# Altium PCB SC_ControlV2.0.PcbDoc
Units mm, origin at the board's own origin, x right, y up, seen from the top; angles counter-clockwise.
Board outline 57 x 65 mm, 2 copper layers (Top Layer, Bottom Layer), stack 0.325 mm thick; 103 components, 59 nets, 345 pads, 179 vias.
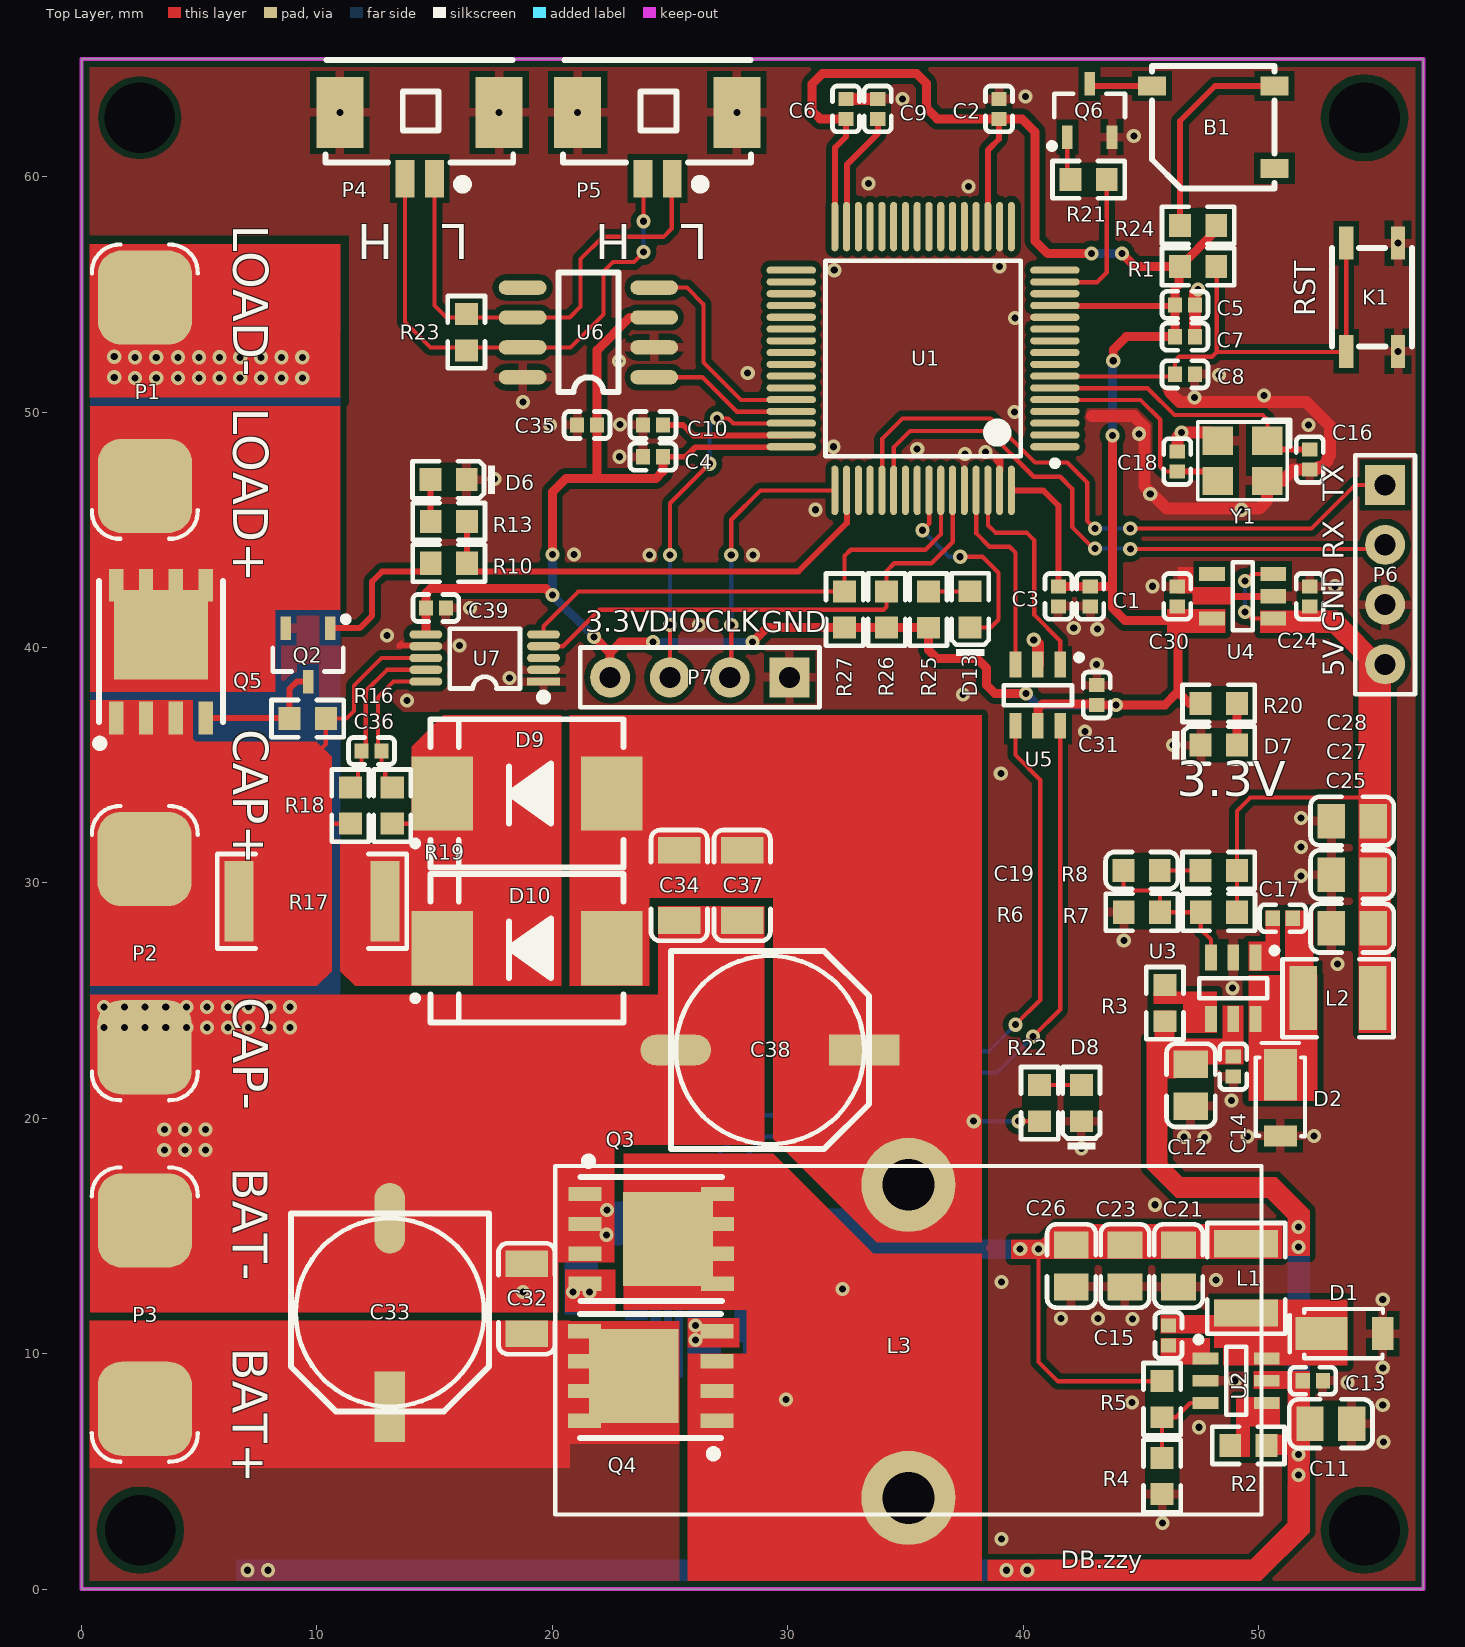
[diagram p0: Top Layer view]
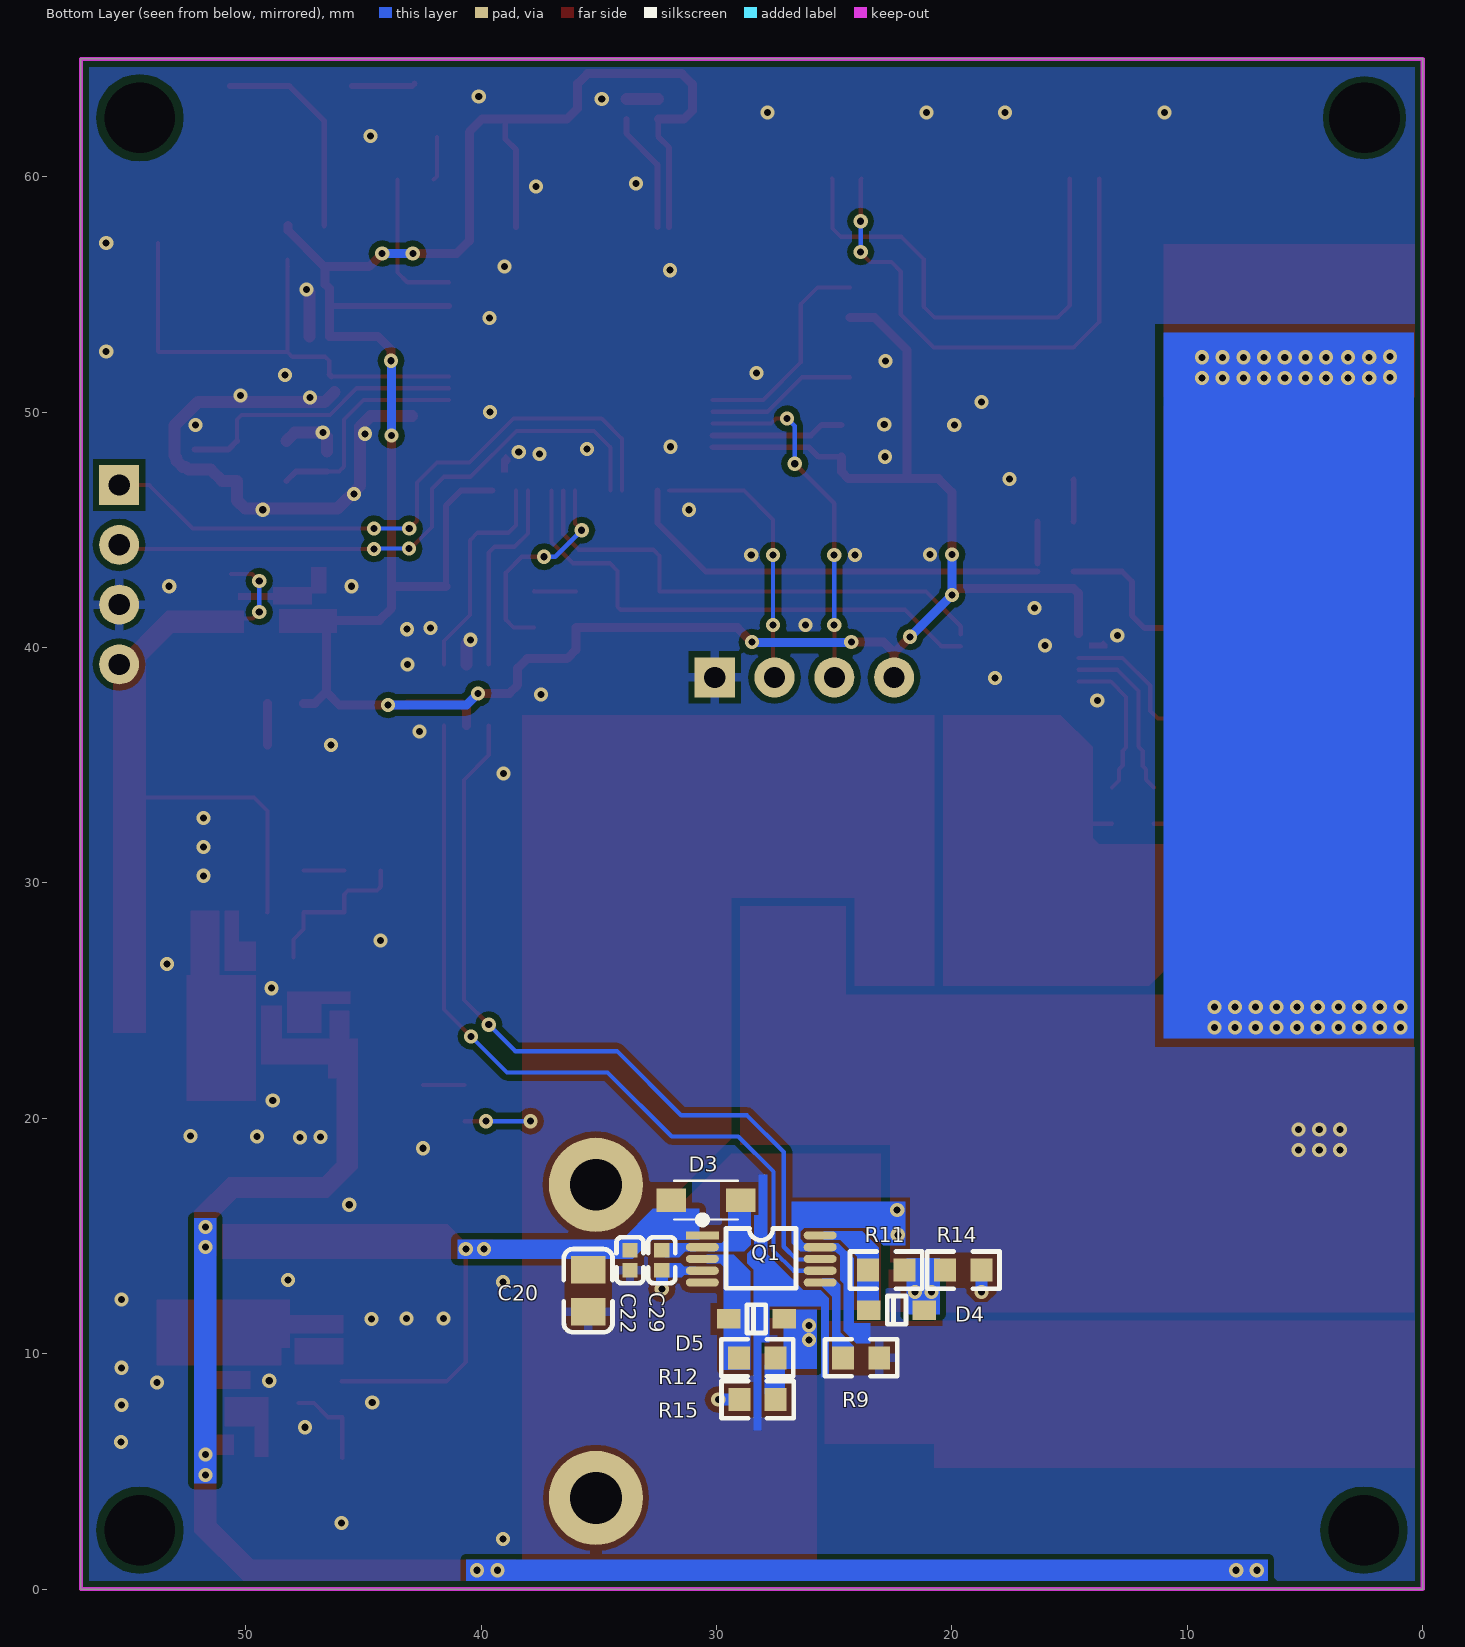
[diagram p1: Bottom Layer view, seen from below]

## Layer stack, top to bottom
Top Solder: solder mask 0.0102, Solder Resist, Dk 3.5
Top Layer: signal copper 0.0356
Dielectric 1: core 0.254, FR-4, Dk 4.2
Bottom Layer: signal copper 0.0356
Bottom Solder: solder mask 0.0102, Solder Resist, Dk 3.5

## Board outline
0,0 0,65 57,65 57,0

## Design rules (kind name [scope] priority, off if disabled: settings)
Clearance [All] p1: gap=0.254 ignorepadtopadclearanceinfootprint=FALSE except(0: Arc-Hole Track-Hole SMDPad-Hole THPad-Hole Via-Hole Fill-Hole Poly-Hole Region-Hole Text-Hole; 0.127: SMDPad-SMDPad SMDPad-Region Region-Region; 0.178: Track-SMDPad Track-Region; 0.203: Track-Track Via-Region)
ComponentClearance [All] p1 off: gap=0.254 collisioncheckmode=3 verticalgap=0.254 showdistances=FALSE
PolygonConnect PolygonConnect_via [isvia] p1: connectstyle=Direct reliefconductorwidth=0.254 reliefentries=4 polygonreliefangle="90 Angle" airgapwidth=0.254
PolygonConnect [All] p2: connectstyle=Relief reliefconductorwidth=0.381 reliefentries=4 polygonreliefangle="90 Angle" airgapwidth=0.254
RoutingVias [All] p1: holewidth=0.711 width=1.27 viastyle="Through Hole" minholewidth=0.3 minwidth=0.6 maxholewidth=0.711 maxwidth=5
SolderMaskExpansion [All] p1: expansion=0.102
Width [All] p1: maxlimit=1.27 minlimit=0.178 preferedwidth=0.254
29 further rules are at their usual default settings.

## Components (designator, comment, footprint, x,y, rotation, side; value= is the part's Value field where it differs from the comment)
B1 "Beep 5020 3V" "Beep 5020" 50.675,64.7 r180 top
C1 "0402 50V 4.7uF" 0402_C 42.85,42.175 r270 top
C2 "0402 50V 100nF" 0402_C 38.975,62.87 r90 top
C3 "0402 50V 100nF" 0402_C 41.5,42.175 r270 top
C4 "0402 50V 100nF" 0402_C 24.28,48.1 r180 top
C5 "0402 25V 1uF" 0402_C 46.868,54.55 r0 top
C6 "0402 50V 100nF" 0402_C 32.475,62.87 r90 top
C7 "0402 50V 100nF" 0402_C 46.868,53.2 r0 top
C8 "0402 50V 100nF" 0402_C 46.878,51.6 r180 top
C9 "0402 6.3V 2.2uF" 0402_C 33.825,62.87 r90 top
C10 "0402 6.3V 2.2uF" 0402_C 24.28,49.45 r180 top
C11 "0805 35V 4.7uF" 0805_C 53.075,7 r0 top
C12 "0805 35V 4.7uF" 0805_C 47.1,21.4 r270 top
C13 "0402 50V 100nF" 0402_C 52.3,8.85 r0 top
C14 "0402 50V 100nF" 0402_C 48.925,22.2 r270 top
C15 "0402 50V 100nF" 0402_C 46.175,10.775 r90 top
C16 "0402 50V 20pF" 0402_C 52.175,47.975 r90 top
C17 "0402 50V 100nF" 0402_C 51.025,28.5 r0 top
C18 "0402 50V 20pF" 0402_C 46.55,47.9 r270 top
C19 "0402 50V 150pF" 0603_C 45.05,30.525 r0 top
C20 "0805 25V 10uF" 0805_C 35.475,12.675 r270 bottom
C21 "0805 25V 10uF" 0805_C 46.575,13.725 r270 top
C22 "0402 50V 100nF" 0402_C 33.675,13.975 r270 bottom
C23 "0805 25V 10uF" 0805_C 44.3,13.725 r270 top
C24 "0402 25V 1uF" 0402_C 52.175,42.165 r90 top
C25 "0805 25V 10uF" 0805_C 53.975,28.1 r180 top
C26 "0805 35V 4.7uF" 0805_C 42.025,13.725 r270 top
C27 "0805 25V 10uF" 0805_C 53.975,30.375 r180 top
C28 "0805 35V 4.7uF" 0805_C 53.975,32.65 r180 top
C29 "0402 50V 100nF" 0402_C 32.325,13.975 r270 bottom
C30 "0402 25V 1uF" 0402_C 46.55,42.165 r90 top
C31 "0402 50V 100nF" 0402_C 43.125,37.975 r90 top
C32 "1206 50V 10uF" 1206_C 18.9,13.825 r90 top
C33 "35V 47uF" 贴片铝电解_8 13.1,11.75 r270 top
C34 "1206 50V 10uF" 1206_C 25.4,28.4 r270 top
C35 "0402 50V 100nF" 0402_C 21.48,49.45 r180 top
C36 "0402 50V 100nF" 0402_C 12.325,35.6 r180 top
C37 "1206 50V 10uF" 1206_C 28.075,28.4 r270 top
C38 "35V 47uF" 贴片铝电解_8 29.25,22.9 r0 top
C39 "0402 50V 100nF" 0402_C 15.05,41.675 r0 top
D1 "DFLS140" POWERDI_123 52.675,10.85 r0 top
D2 "DFLS140" POWERDI_123 50.925,21.85 r270 top
D3 "MBR0540T1G" SOD_123F 30.575,16.5 r0 bottom
D4 "1N4148WS" SOD_323F 22.55,11.85 r180 bottom
D5 "1N4148WS" SOD_323F 28.503,11.475 r180 bottom
D6 "0603 LED 蓝" 0603_LED 15.613,47.125 r180 top
D7 "0603 LED 蓝" 0603_LED 48.291,35.85 r0 top
D8 "0603 LED 蓝" 0603_LED 42.475,20.625 r90 top
D9 "SK1045" SMC 18.925,33.8 r0 top
D10 "SK1045" SMC 18.925,27.225 r0 top
D13 "0603 LED 蓝" 0603_LED 37.75,41.6 r90 top
K1 "KEY" 按键_3*4 54.825,52.775 r270 top
L1 "47uH CBC3225T470KR" 1210_L 49.525,13.1 r90 top
L2 "47uH CBC3225T470KR" 1210_L 53.275,25.05 r0 top
L3 "100uH" 绕线电感_14mm 35.125,3.875 r90 top
P1 "电源口_2P" 电源口_2P 2.7,46.95 r90 top
P2 "电源口_2P" 电源口_2P 2.675,30.925 r270 top
P3 "电源口_2P" 电源口_2P 2.7,7.75 r90 top
P4 "GH1.25_2Pin" GH1.25_2Pin 14.35,62.725 r180 top
P5 "GH1.25_2Pin" GH1.25_2Pin 24.45,62.725 r180 top
P6 "蓝牙" HDR_4Pin 55.375,40.55 r270 top
P7 "下载口" HDR_4Pin 23.725,38.725 r180 top
Q1 "LM5106" VSSOP10 30.6,15.025 r180 bottom
Q2 "2N3904" SOT23_3 9.675,39.675 r90 top
Q3 "NMOS BSC109N10NS3" PG_TDSON_8 24.2,14.875 r270 top
Q4 "NMOS BSC109N10NS3" PG_TDSON_8 24.175,9.05 r90 top
Q5 "AON6407" DFN_5x6 3.375,40.525 r0 top
Q6 "2N3904" SOT23_3 42.775,62.825 r270 top
R1 "0603 4.7kΩ" "0603 _R" 47.425,56.175 r180 top
R2 "0603 100kΩ" "0603 _R" 49.575,6.1 r0 top
R3 "0603 100kΩ" "0603 _R" 46.025,24.9 r90 top
R4 "0603 3.4kΩ" "0603 _R" 45.9,4.812 r90 top
R5 "0603 47.5kΩ" "0603 _R" 45.9,8.062 r270 top
R6 "0603 16.9kΩ" "0603 _R" 45.037,28.75 r180 top
R7 "0603 86.6kΩ" "0603 _R" 48.307,28.75 r180 top
R8 "0603 86.6kΩ" "0603 _R" 48.3,30.525 r180 top
R9 "0603 47kΩ" "0603 _R" 23.85,9.825 r180 bottom
R10 "0603 1kΩ" "0603 _R" 15.613,43.575 r0 top
R11 "0603 10Ω" "0603 _R" 22.8,13.55 r0 bottom
R12 "0603 10Ω" "0603 _R" 28.278,9.825 r0 bottom
R13 "0603 4.7kΩ" "0603 _R" 15.613,45.35 r0 top
R14 "0603 10kΩ" "0603 _R" 19.525,13.55 r0 bottom
R15 "0603 10kΩ" "0603 _R" 28.25,8.05 r180 bottom
R16 "0603 510Ω" "0603 _R" 9.6,36.975 r180 top
R17 "2512 5mΩ 2W" 2512_R 9.775,29.1 r0 top
R18 "0603 5.1Ω" "0603 _R" 11.425,33.275 r270 top
R19 "0603 5.1Ω" "0603 _R" 13.2,33.275 r270 top
R20 "0603 4.7kΩ" "0603 _R" 48.3,37.625 r180 top
R21 "0603 1kΩ" "0603 _R" 42.775,59.875 r180 top
R22 "0603 10kΩ" "0603 _R" 40.7,20.634 r270 top
R23 "0603 120Ω" "0603 _R" 16.35,53.4 r90 top
R24 "0603 22Ω" "0603 _R" 47.425,57.925 r180 top
R25 "0603 4.7kΩ" "0603 _R" 35.975,41.6 r270 top
R26 "0603 4.7kΩ" "0603 _R" 34.2,41.618 r90 top
R27 "0603 4.7kΩ" "0603 _R" 32.416,41.618 r90 top
U1 "STM32F405RGT6" LQFP64 35.75,52.275 r90 top
U2 "MP2459" SOT23_6 49.05,8.85 r0 top
U3 "MP2459" SOT23_6 48.925,25.525 r270 top
U4 "LP5907_3.3" SOT23_5 48.825,42.175 r180 top
U5 "SN74LVC2G17" SOT23_6 40.625,37.975 r270 top
U6 "SN65HVD232" SOP8 21.525,53.425 r90 top
U7 "INA226" VSSOP10 19.625,38.55 r180 top
Y1 "3225" SMD-3225-4P 49.325,47.925 r180 top

## Footprints (in the part's own frame and the unit in brackets; to place one, negate y for a bottom-side part, rotate by r counter-clockwise, add the part's x,y. Pads: shape width x height; smd on the part's side, far side on the other; paste and mask are expansions set on the pad)
0402_C [mm]
  rect 0.6x0.65 smd mask+0.051: 1(-0.42,0) 2(0.43,0)
  silkscreen extent -0.97,-0.58 0.98,0.58, body extent -0.48,-0.3 0.52,0.3, height 0.2
"0603 _R" [mm]
  rect 0.93x0.98 smd: 1(-0.778,0) 2(0.762,0)
  silkscreen extent -1.54,-0.79 1.53,0.79, body extent -0.86,-0.4 0.84,0.4, height 0.56
0603_C [mm]
  rect 0.93x0.98 smd: 1(-0.786,0) 2(0.754,0)
  silkscreen extent -1.55,-0.79 1.52,0.79, body extent -0.82,-0.4 0.78,0.4, height 0.3
0603_LED [mm]
  rect 0.93x0.98 smd: A(0.787,0) K(-0.753,0)
  silkscreen extent -1.96,-0.79 1.55,0.79, body extent -0.78,-0.4 0.82,0.4, height 0.6
0805_C [mm]
  rect 1.16x1.47 smd: 1(-0.891,0.025) 2(0.889,0.025)
  silkscreen extent -1.77,-1.01 1.77,1.06, body extent -1,-0.6 1,0.65, height 0.77
1206_C [mm]
  rect 1.13x1.8 smd: 1(-2.98,-0.01) 2(0,-0.01)
  silkscreen extent -3.85,-1.21 0.86,1.19, body extent -3.09,-0.82 0.11,0.78, height 1
1210_L [mm]
  rect 1.16x2.72 smd: 1(-1.375,0.05) 2(1.575,0.05)
  silkscreen extent -2.25,-1.61 2.46,1.71
2512_R [mm]
  rect 1.25x3.42 smd: 1(-3.084,0.117) 2(3.116,0.117)
  silkscreen extent -4.01,-1.89 4.04,2.13, body extent -3.14,-1.48 3.18,1.72, height 0.62
"Beep 5020" [mm]
  rect 1.2x0.8 smd: 1(0,0.85) 2(5.2,0.85) 3(0,4.35)
  silkscreen extent 0,0 5.2,5.2
DFN_5x6 [mm]
  rect 0.61x1.4 smd: 1(1.905,-3.516) 2(-1.905,2.116) 2(-0.635,2.116) 2(0.635,2.116) 2(1.905,2.116) 3(-1.905,-3.516) 3(-0.635,-3.516) 3(0.635,-3.516)
  rect 4x3.81 smd: 2(0,0.016)
  silkscreen extent -2.72,-4.72 2.63,2.3
GH1.25_2Pin [mm]
  rect 2x3 smd: 0(-3.389,0) 0(3.375,0)
  rect 0.8x1.6 smd: 1(-0.646,2.811) 2(0.604,2.811)
  silkscreen extent -3.99,-2.23 3.99,3.25, body extent -3.83,-2.1 3.82,3.09, height 3.4
HDR_4Pin [mm]
  rect 1.7x1.7 hole 0.9: 1(-6.35,0)
  round 1.7 hole 0.9: 2(-3.81,0) 3(-1.27,0) 4(1.27,0)
  silkscreen extent -7.62,-1.27 2.54,1.27, body extent -7.62,-1.27 2.54,1.27, height 8.5
LQFP64 [mm]
  oval 0.3x2.1 smd: 1(-3.75,-5.6) 2(-3.25,-5.6) 3(-2.75,-5.6) 4(-2.25,-5.6) 5(-1.75,-5.6) 6(-1.25,-5.6) 7(-0.75,-5.6) 8(-0.25,-5.6) 9(0.25,-5.6) 10(0.75,-5.6) 11(1.25,-5.6) 12(1.75,-5.6) 13(2.25,-5.6) 14(2.75,-5.6) 15(3.25,-5.6) 16(3.75,-5.6) 33(3.75,5.6) 34(3.25,5.6) 35(2.75,5.6) 36(2.25,5.6) 37(1.75,5.6) 38(1.25,5.6) 39(0.75,5.6) 40(0.25,5.6) 41(-0.25,5.6) 42(-0.75,5.6) 43(-1.25,5.6) 44(-1.75,5.6) 45(-2.25,5.6) 46(-2.75,5.6) 47(-3.25,5.6) 48(-3.75,5.6)
  oval 2.1x0.3 smd: 17(5.6,-3.75) 18(5.6,-3.25) 19(5.6,-2.75) 20(5.6,-2.25) 21(5.6,-1.75) 22(5.6,-1.25) 23(5.6,-0.75) 24(5.6,-0.25) 25(5.6,0.25) 26(5.6,0.75) 27(5.6,1.25) 28(5.6,1.75) 29(5.6,2.25) 30(5.6,2.75) 31(5.6,3.25) 32(5.6,3.75) 49(-5.6,3.75) 50(-5.6,3.25) 51(-5.6,2.75) 52(-5.6,2.25) 53(-5.6,1.75) 54(-5.6,1.25) 55(-5.6,0.75) 56(-5.6,0.25) 57(-5.6,-0.25) 58(-5.6,-0.75) 59(-5.6,-1.25) 60(-5.6,-1.75) 61(-5.6,-2.25) 62(-5.6,-2.75) 63(-5.6,-3.25) 64(-5.6,-3.75)
  silkscreen extent -4.57,-5.72 4.15,4.15, body extent -6.01,-5.99 5.99,6.01, height 1.6
PG_TDSON_8 [mm]
  rect 0.61x1.4 smd: 1(1.905,-2.816) 2(-1.905,2.816) 2(-0.635,2.816) 2(0.635,2.816) 2(1.905,2.816) 3(-1.905,-2.816) 3(-0.635,-2.816) 3(0.635,-2.816)
  rect 4x3.81 smd: 2(0,0.716)
  silkscreen extent -3.43,-3 2.63,3, body extent -2.82,-3.19 2.77,3.16, height 1.1
POWERDI_123 [mm]
  rect 0.9x1.4 smd: 1(2.6,0)
  rect 2.2x1.4 smd: 2(0,0)
  silkscreen extent -1.35,-1.04 2.62,1.04, body extent -0.96,-0.96 2.94,0.97, height 1
SMC [mm]
  rect 2.6x3.15 smd: 1(3.6,0) 2(-3.6,0)
  silkscreen extent -4.87,-3.15 4.1,3.15, body extent -3.95,-2.9 3.95,2.9, height 2.45
SMD-3225-4P [mm]
  rect 1.3x1.2 smd: 1(-1.043,-0.85) 2(1.057,-0.85) 3(1.057,0.85) 4(-1.043,0.85)
  silkscreen extent -2.02,-1.75 1.91,1.65, body extent -1.59,-1.25 1.61,1.25, height 0.7
SOD_123F [mm]
  rect 1.25x1 smd: 1(1.346,-0.025) 2(-1.604,-0.025)
  silkscreen extent -1.48,-0.85 1.22,0.8, body extent -2.03,-0.87 1.72,0.82, height 1.2
SOD_323F [mm]
  rect 1x0.83 smd: 1(1.38,0) 2(-0.98,0)
  silkscreen extent -0.2,-0.6 0.6,0.6, body extent -1.2,-0.67 1.6,0.68, height 0.75
SOP8 [mil]
  oval 24x80 smd: 1(-76.72,-110.32) 2(-26.72,-110.32) 3(23.28,-110.32) 4(73.28,-110.32) 5(73.28,109.68) 6(23.28,109.68) 7(-26.72,109.68) 8(-76.72,109.68)
  silkscreen extent -102,-50 98,50, body extent -101,-122 97,116, height 63
SOT23_3 [mm]
  rect 1x0.45 smd: 1(1.143,-0.899) 2(1.143,1.001) 3(-1.125,0.051)
  silkscreen extent -0.7,-1.67 1.65,1.55, body extent -1.2,-1.45 1.2,1.55, height 1.05
SOT23_5 [mm]
  rect 1.1x0.6 smd: 1(-1.8,0.95) 2(-1.8,0) 3(-1.8,-0.95) 4(0.8,-0.95) 5(0.8,0.95)
  silkscreen extent -0.93,-1.45 -0.08,1.45, body extent -1.9,-1.45 0.9,1.45, height 1.45
SOT23_6 [mm]
  rect 1.1x0.5 smd: 1(-1.3,0.95) 2(-1.3,0) 3(-1.3,-0.95) 4(1.3,-0.95) 5(1.3,0) 6(1.3,0.95)
  silkscreen extent -1.72,-1.45 0.43,1.87, body extent -1.5,-1.5 1.5,1.5, height 1.3
VSSOP10 [mm]
  rect 1.4x0.35 smd: 1(0,0)
  oval 1.4x0.35 smd: 2(0,-0.5) 3(0,-1) 4(0,-1.5) 5(0,-2) 6(5,-2) 7(5,-1.5) 8(5,-1) 9(5,-0.5) 10(5,0)
  silkscreen extent -0.13,-2.24 3.98,0.79, body extent 0.04,-2.5 4.96,0.5, height 1.1
按键_3*4 [mm]
  rect 1.4x0.6 smd: 1(-4.4,1.1) 1(0.2,1.1) 2(-4.4,-1.1) 2(0.2,-1.1)
  silkscreen extent -4.2,-1.7 0,1.7
电源口_2P [mm]
  rrect50% 4x4 smd: 1(-0.09,0.005) 2(7.91,0.005)
  silkscreen extent -2.34,-2.24 10.16,2.26
绕线电感_14mm [mm]
  round 4 hole 2.2: 1(0,0) 2(13.3,0)
  silkscreen extent -0.7,-15 14.1,15
贴片铝电解_8 [mm]
  rect 3x1.3 smd: 1(4,0)
  oval 3x1.3 smd: 2(-4,0)
  silkscreen extent -4.2,-4.2 4.2,4.2, body extent -4.5,-4.15 4.5,4.15, height 12

## Part data
B1: library part Beep
C1 C2 C3 C4 C5 C6 C7 C8 C9 C10 C11 C12 C13 C14 C15 C16 C17 C18 C19 C20 C21 C22 C23 C24 C25 C26 C27 C28 C29 C30 C31 C32 C34 C35 C36 C37 C39: library part Cap
C33 C38: library part 铝电解
D1 D2 D3 D9 D10: library part 肖特基二极管
D4 D5: library part 开关二极管
D6 D7 D8 D13: library part LED
K1: library part 按键_小
L1 L2 L3: library part 电感
P6 P7: library part HDR_4Pin
Q2 Q6: library part NPN
Q3 Q4: library part NMOS
Q5: library part PMOS
R1 R2 R3 R4 R5 R6 R7 R8 R9 R10 R11 R12 R13 R14 R15 R16 R17 R18 R19 R20 R21 R22 R23 R24 R25 R26 R27: library part Res
U4: library part LP5907
Y1: library part 无源晶振_4Pin

## Free pads (board coordinates)
  round 1.27 hole 3: 3(2.475,62.5) 3(2.5,2.5) 3(54.5,2.5) 3(54.5,62.5)

## Via types
v1: diameter 0.6, hole 0.3, Top Layer to Bottom Layer, 179 vias

## Nets (pads, with @x,y where several pads share a name; then routed paths per layer and width w, separated by ;. In a path a pad name is that pad's centre, name@x,y a point inside that pad or via, vN(x,y) a via of type N, cw(c..) or ccw(c..) an arc to the next point about the centre after c; other vN are vias at no path point)
BAT_CHECK: U1.11
BATTERY: C11.1 C12.1 C13.1 C14.1 C32.1 C33.1 P3.1 Q4.2 R2.2 R3.1 U2.5 U3.5
  other v1: 7.05,0.8 7.925,0.8 39.3,0.8 40.175,0.8 51.7,4.85 51.7,5.725 51.7,14.525 51.7,15.375
BEEP: R21.1 U1.15 | length 6.3
  Top Layer w0.178: U1.15@41.362,55.512 43.137,55.512 43.553,55.928 R21.1
CAN_H: P4.2 P5.2 R23.1 U6.7 | length 22.6
  Top Layer w0.178: P4.2 13.746,53.829 14.829,52.746 U6.7 20.771,52.746 22.175,54.15 22.175,55.975 22.575,56.375 23.475,56.375 23.875,56.775 v1(23.875,56.8) ; P5.2 23.876,59.884 v1(23.876,58.103)
  Bottom Layer w0.178: v1(23.875,56.8) v1(23.876,58.103)
CAN_L: P4.1 P5.1 R23.2 U6.6 | length 20.6
  Top Layer w0.178: P4.1 14.996,54.529 15.509,54.016 U6.6 20.741,54.016 21.2,54.475 21.2,56.5 22.143,57.443 24.718,57.443 25.075,57.8 25.075,59.894 P5.1
CAN_RX: U1.44 U6.4 | length 9.3
  Top Layer w0.178: U6.4 25.714,55.286 26.425,54.575 26.425,52.1 28.013,50.512 U1.44@30.162,50.512
CAN_TX: U1.45 U6.1 | length 6.4
  Top Layer w0.178: U6.1 26.372,51.476 27.837,50.012 U1.45@30.162,50.012
ENABLE: Q1.7 U5.6 | length 34.6
  Top Layer w0.178: v1(40.425,23.475) 41.575,24.625 U5.6
  Bottom Layer w0.178: Q1.7 26.736,13.525 27.58,14.37 27.58,17.73 29.075,19.225 31.9,19.225 34.625,21.95 38.9,21.95 v1(40.425,23.475)
GND: C1.2 C2.2 C3.2 C4.2 C5.2 C6.2 C7.2 C8.1 C9.2 C10.2 C11.2 C12.2 C13.2 C14.2 C16.1 C18.1 C20.2 C21.2 C22.2 C23.2 C24.2 C25.2 C26.2 C27.2 C28.2 C30.2 C31.2 C32.2 C33.2 C34.2 C35.2 C37.2 C38.2 C39.2 D1.1 D2.1 D6.K D7.K D8.K K1.1 P1.2 P2.2 P3.2 P4.0 P5.0 P6.3 P7.1 Q1.9 Q2.2 Q3.3 Q6.2 R4.1 R6.2 R9.2 R14.1 U1.12 U1.18 U1.60 U1.63 U2.2 U3.2 U4.2 U5.2 U6.2 U6.8 U7.1 U7.2 U7.7 Y1.2 Y1.4 | length 31.4
  Top Layer w0.508: C6.2 C9.2 ; v1(40.45,40.325) 40.625,40.15 U5.2 ; 42.925,49.825 44.7,49.825 45.15,49.375 45.15,46.85 46.1,45.9 50.025,45.9 50.368,46.243 Y1.4 51,47.075 51.48,47.555 C16.1 52.433,47.555 52.551,47.673 52.679,47.673 52.932,47.926 52.932,48.054 53.025,48.147 53.025,49.428 52.028,50.425 46.647,50.425 46.229,50.843 ; C18.1 46.55,48.95 v1(46.725,49.125) 47.918,49.125 Y1.2 ; C7.2 C5.2 47.298,55.073 v1(47.425,55.2)
  Bottom Layer w0.508: R14.1 18.747,12.628 v1(18.75,12.625)
  other v1: 39.075,2.125 45.925,2.8 55.3,6.25 47.475,6.875 55.275,7.825 44.625,7.925 53.775,8.775 49,8.85 55.275,9.4 44.65,11.475 41.6,11.5 43.175,11.5 55.275,12.3 39.075,13.05 48.2,13.125 22.3,15.05 22.325,16.1 45.6,16.325 3.517,18.65 4.396,18.65 5.275,18.65 42.475,18.725 47.7,19.175 46.825,19.2 49.525,19.225 52.35,19.25 3.517,19.525 4.396,19.525 5.275,19.525 48.85,20.75 0.95,23.85 1.825,23.85 2.7,23.85 3.579,23.85 4.458,23.85 5.337,23.85 6.217,23.85 7.096,23.85 7.975,23.85 8.854,23.85 0.95,24.725 1.825,24.725 2.7,24.725 3.579,24.725 4.458,24.725 5.337,24.725 6.217,24.725 7.096,24.725 7.975,24.725 8.854,24.725 48.9,25.525 53.35,26.55 44.275,27.55 51.8,30.3 51.8,31.525 51.8,32.75 39.05,34.65 46.375,35.85 42.625,36.425 13.825,37.75 37.45,38 18.175,38.7 43.125,39.275 16.05,40.075 12.975,40.5 43.15,40.775 42.15,40.825 26.225,40.95 16.5,41.675 45.5,42.6 53.25,42.6 24.125,43.925 28.525,43.925 20.925,43.95 31.175,45.85 49.275,45.85 45.4,46.525 17.55,47.15 22.85,48.1 37.525,48.225 38.4,48.3 35.5,48.425 31.95,48.525 44.925,49.075 19.9,49.45 52.125,49.45 22.875,49.475 39.625,50 18.75,50.425 47.275,50.625 50.225,50.7 2.275,51.45 3.175,51.45 4.104,51.45 4.983,51.45 5.862,51.45 6.742,51.45 7.621,51.45 8.5,51.45 9.379,51.45 1.392,51.475 48.325,51.575 28.3,51.65 22.825,52.175 2.275,52.325 3.175,52.325 4.104,52.325 4.983,52.325 5.862,52.325 6.742,52.325 7.621,52.325 8.5,52.325 9.379,52.325 1.392,52.35 55.925,52.575 39.65,54 31.975,56.025 39,56.175 55.925,57.175 37.675,59.575 33.425,59.7 44.7,61.725 10.975,62.725 17.739,62.725 21.075,62.725 27.839,62.725 34.875,63.3 40.1,63.4
IIC1_SCL: R27.2 U1.58 U7.5 | length 21.6
  Top Layer w0.178: U7.5 19.625,40.9 21.105,42.38 R27.2 32.416,43.891 32.675,44.15 35.85,44.15 36.512,44.812 U1.58@36.512,46.662
IIC1_SDA: R26.2 U1.59 U7.4 | length 22.3
  Top Layer w0.178: U7.4 20.45,40.05 22,41.6 34.075,41.6 34.2,41.725 R26.2 34.2,43.25 34.525,43.575 36.1,43.575 37.012,44.487 U1.59@37.012,46.662
LED: D13.K U1.57 | length 9.1
  Top Layer w0.178: v1(35.727,44.977) 36.012,45.262 U1.57@36.012,46.662 ; v1(37.327,43.852) 38.273,43.852 38.95,43.175 38.95,41.175 38.622,40.847 D13.K
  Bottom Layer w0.178: v1(35.727,44.977) 36.852,43.852 v1(37.327,43.852)
MOTER: P1.1 Q5.2
NetB1_1: B1.1 R24.2 | length 9.1
  Top Layer w0.254: R24.2 46.663,62.364 48.149,63.85 B1.1
NetB1_2: B1.2 Q6.3 | length 2.7
  Top Layer w0.254: Q6.3 42.926,63.85 B1.2
NetC8_2: C8.2 K1.2 R1.1 U1.7 | length 21.7
  Top Layer w0.178: U1.7@41.362,51.512 C8.2@46.36,51.512 ; C8.2 46.448,52.173 46.625,52.35 48.025,52.35 48.225,52.55 ; R1.1 R1.1@48.225,56.153 ; R1.1@48.225,56.478 R1.1@48.225,56.153 ; K1.2@53.725,57.175 53.725,52.575 53.7,52.55 48.225,52.55 ; 48.225,52.55 R1.1@48.225,56.153
  Top Layer w0.254: C8.2@46.36,51.512 C8.2
NetC9_1: C9.1 U1.31 | length 5.1
  Top Layer w0.254: U1.31@32.512,57.862 32.512,60.512 33.825,61.825 C9.1
NetC10_1: C10.1 U1.47 | length 5.6
  Top Layer w0.254: C10.1 25.55,49.45 25.988,49.012 U1.47@30.162,49.012
NetC15_1: C15.1 U2.1
NetC15_2: C15.2 D1.2 L1.1 U2.6
NetC16_2: C16.2 U1.6 Y1.1 | length 12.4
  Top Layer w0.178: U1.6@41.362,51.012 45.288,51.012 46.425,49.875 50.175,49.875 50.375,49.675 50.375,48.782 Y1.1
  Top Layer w0.254: Y1.1 50.738,48.405 C16.2
NetC17_1: C17.1 U3.1
NetC17_2: C17.2 D2.2 L2.1 U3.6
NetC18_2: C18.2 U1.5 Y1.3 | length 9.5
  Top Layer w0.178: U1.5@41.362,50.512 44.988,50.512 45.825,49.675 45.825,47.675 46.03,47.47 C18.2
  Top Layer w0.254: C18.2 47.873,47.47 Y1.3
NetC19_1: C19.1 R6.1 R7.2 U3.3 | length 7
  Top Layer w0.178: C19.1 44.264,29.836 44.425,29.675 45.65,29.675 45.815,29.51 R6.1 R7.2 47.545,28.03 47.975,27.6 U3.3
NetC19_2: C19.2 R8.2 | length 1.7
  Top Layer w0.178: C19.2 R8.2
NetC29_1: C29.1 D3.2 Q1.2
NetC29_2: C29.2 L3.1 Q1.4 Q3.2 Q4.3 R15.1 | length 1.7
  Bottom Layer w0.508: R15.1 v1(29.925,8.05) ; v1(32.325,12.75) C29.2
NetC36_1: C36.1 R19.1 U7.10 | length 6.4
  Top Layer w0.178: R19.1 12.9,34.353 12.9,34.825 12.745,34.98 C36.1 12.6,35.745 12.6,37.9 13.25,38.55 U7.10
NetC36_2: C36.2 R18.1 U7.9 | length 7.3
  Top Layer w0.178: R18.1 11.75,34.378 11.75,34.825 11.895,34.97 C36.2 12.075,35.78 12.075,38.15 12.975,39.05 U7.9
NetD4_1: D4.1 Q3.1 R11.1 R14.2
  other v1: 20.875,12.625 21.575,12.625
NetD4_2: D4.2 Q1.10 R11.2
NetD5_1: D5.1 Q4.1 R12.1 R15.2
  other v1: 26.075,10.575 26.075,11.2
NetD5_2: D5.2 Q1.3 R12.2
NetD6_A: D6.A R13.1 | length 1.8
  Top Layer w0.254: R13.1 14.826,45.359 D6.A D6.A@14.835,47.116
NetD7_A: D7.A R20.1 | length 1.8
  Top Layer w0.381: D7.A R20.1
NetD8_A: D8.A R22.1 | length 1.8
  Top Layer w0.178: R22.1 D8.A
NetD13_A: D13.A R25.1 | length 1.8
  Top Layer w0.178: R25.1 37.741,42.378 D13.A
NetQ1_6: Q1.6 R9.1
NetQ2_1: Q2.1 R10.1 | length 6.1
  Top Layer w0.254: Q2.1 11.818,40.818 12.35,41.35 12.35,42.8 12.775,43.225 R10.1@14.835,43.225
NetQ2_3: Q2.3 Q5.1 R16.2 | length 5.8
  Top Layer w0.254: Q5.1 8.804,37.009 R16.2 8.838,38.238 9.15,38.55 Q2.3
NetQ6_1: Q6.1 R21.2 | length 1.9
  Top Layer w0.178: Q6.1 41.876,60.012 R21.2
NetR2_1: R2.1 U2.4
NetR3_2: R3.2 U3.4
NetR4_2: R4.2 R5.2 U2.3 | length 3.8
  Top Layer w0.178: R4.2 R5.2 46.5,7.3 47.1,7.9 U2.3
PB8: U1.61 U5.3 | length 8.6
  Top Layer w0.178: U1.61@38.012,46.662 38.012,44.838 38.575,44.275 39.425,44.275 39.675,44.025 U5.3
PB9: U1.62 U5.1 | length 9.4
  Top Layer w0.178: U1.62@38.512,46.662 38.512,45.188 38.825,44.875 40.15,44.875 40.475,44.55 40.475,41.375 41.575,40.275 U5.1
POWER_CAP: P2.1 Q5.3 R16.1 R17.1 R18.2 U7.8 | length 9.3
  Top Layer w0.178: 9.85,35.375 10.378,35.903 R16.1 11.25,36.975 11.575,37.3 11.575,38.375 12.75,39.55 U7.8 ; 9.925,32.575 9.987,32.513 R18.2
POWER_CHARGE: C34.1 C37.1 C38.1 D9.1 D10.1 L3.2 R22.2 | length 2.8
  Top Layer w0.178: v1(39.8,19.875) 39.803,19.872 R22.2
  Bottom Layer w0.178: v1(37.9,19.875) v1(39.8,19.875)
POWER_CHARGE_OUT: D9.2 D10.2 R17.2 R19.2 | length 2.2
  Top Layer w0.178: R19.2 15.387,32.513 D9.2@15.425,32.475
PWM: Q1.8 U5.4 | length 34.1
  Top Layer w0.178: v1(39.675,23.975) 40.725,25.025 40.725,34.375 39.675,35.425 U5.4
  Bottom Layer w0.178: Q1.8 25.6,14.007 26.607,14.007 27.143,14.543 27.143,18.568 28.7,20.125 31.5,20.125 34.225,22.85 38.55,22.85 v1(39.675,23.975)
RX: P6.2 U1.54 | length 26.3
  Top Layer w0.178: U1.54 34.5,48.5 35.2,49.2 38.5,49.2 40.45,47.25 41.575,47.25 42.082,46.743 42.082,45.113 42.997,44.198 v1(43.056,44.198) ; v1(44.552,44.177) 54.902,44.177 P6.2@55.425,44.7
  Bottom Layer w0.178: v1(43.056,44.198) 44.531,44.198 v1(44.552,44.177)
SC_DISCHARGE: R10.2 R13.2 U1.50 | length 20.1
  Top Layer w0.254: R10.2@16.375,43.225 30.45,43.225 32.512,45.287 U1.50@32.512,46.662 ; R10.2 R13.2
SWCLK: P7.2 U1.49 | length 11.7
  Top Layer w0.178: P7.2 27.6,38.79 v1(27.6,40.95) ; v1(27.601,43.927) 27.601,45.426 28.837,46.662 U1.49@32.012,46.662
  Bottom Layer w0.178: v1(27.6,40.95) 27.601,40.951 v1(27.601,43.927)
SWDIO: P7.3 U1.46 | length 15.1
  Top Layer w0.178: P7.3 v1@24.995,40.946 ; v1(25.001,43.927) 25.001,46.127 v1(26.676,47.802) ; v1(27,49.725) 27.475,49.725 27.688,49.512 U1.46@30.162,49.512
  Top Layer w0.254: v1@24.995,40.946 v1(25.001,40.952)
  Bottom Layer w0.178: v1(25.001,40.952) v1(25.001,43.927) ; v1(26.676,47.802) 26.676,49.401 v1(27,49.725)
TX: P6.1 U1.53 | length 27.6
  Top Layer w0.178: U1.53@34.012,46.662 34.012,48.862 34.875,49.725 38.625,49.725 40.5,47.85 41.875,47.85 42.725,47 42.725,45.379 v1(43.052,45.052) ; v1(44.55,45.05) 52.25,45.05 54.1,46.9 P6.1
  Bottom Layer w0.178: v1(43.052,45.052) 43.054,45.05 v1(44.55,45.05)
VCC_3.3V: C1.1 C2.1 C3.1 C4.1 C5.1 C6.1 C7.1 C30.1 C31.1 C35.1 C39.1 P7.4 R1.2 R20.2 R24.1 R25.2 R26.1 R27.1 U1.13 U1.19 U1.32 U1.48 U1.64 U4.5 U5.5 U6.3 U7.6 | length 141.7
  Top Layer w0.254: C4.1 25.675,48.1 26.079,48.504 U1.48@30.162,48.504 ; U1.32@32.012,57.862 32.012,61.237 32.475,61.7 C6.1 ; U1.19@38.512,57.862 38.512,61.137 38.975,61.6 C2.1 ; U1.64@39.512,46.662 40.863,46.662 41.5,46.025 C3.1 ; U1.13@41.362,54.512 46.41,54.512 C5.1@46.448,54.473
  Top Layer w0.381: U7.6@14.625,40.593 14.63,40.598 C39.1 14.63,42.305 14.825,42.5 19.728,42.5 v1(20.001,42.227) ; v1(20,43.95) 20,46.6 20.575,47.175 21.875,47.175 ; v1(21.776,40.452) 22.448,39.78 22.455,39.78 ; P7.4 22.455,39.78 ; v1(24.275,40.225) 22.9,40.225 22.455,39.78 ; U6.3 23.291,54.016 21.9,52.625 C35.1 21.9,47.2 21.875,47.175 ; C4.1 24.7,47.475 24.4,47.175 21.875,47.175 ; v1(28.5,40.225) 29.115,40.84 R27.1 R26.1 35.973,40.84 R25.2 35.975,39.9 36.35,39.525 38.05,39.525 38.45,39.125 38.45,38.4 38.8,38.05 v1(40.125,38.05) ; C6.1 31.375,62.45 31.025,62.8 31.025,63.925 31.475,64.375 35.475,64.375 35.9,63.95 35.9,62.9 36.35,62.45 C2.1 39.95,62.45 40.5,61.9 40.5,57.275 41.047,56.728 v1(42.902,56.728) ; U5.5 40.625,37.4 40.818,37.593 43.125,37.593 C31.1 46.02,37.555 46.575,38.11 ; C3.1 C1.1 43.78,42.595 43.8,42.575 ; v1(43.802,49.002) 43.8,49 43.8,42.575 ; v1(43.827,52.178) 43.827,52.652 44.375,53.2 C7.1 46.448,54.473 C5.1 46.448,55.248 46.625,55.425 46.625,56.137 R1.2 ; v1(44.202,56.728) 44.755,56.175 R1.2 ; R20.2 47.06,37.625 46.575,38.11 ; R24.1 48.203,57.715 R1.2 ; 43.8,42.575 43.8,41.675 44.325,41.15 46.575,41.15 46.575,38.11
  Bottom Layer w0.381: v1@20.001,43.949 v1(20.001,42.227) v1(21.776,40.452) ; v1(24.275,40.225) 24.295,40.205 28.481,40.205 v1(28.5,40.225) ; v1(40.125,38.05) 40.625,37.55 v1(43.95,37.55) ; v1(42.902,56.728) v1(44.202,56.728) ; v1(43.802,49.002) 43.802,52.153 v1(43.827,52.178)
VCC_5V: C24.1 C25.1 C27.1 C28.1 L2.2 P6.4 R7.1 R8.1 U4.1 U4.3 | length 14.1
  Top Layer w0.178: R7.1 49.078,28.757 R8.1 49.078,33.053 49.65,33.625 52.394,33.625 52.396,33.626 53.776,33.626 53.778,33.625 54.7,33.625 ; v1(49.425,41.5) 49.7,41.225 U4.1 ; v1(49.425,42.825) 49.725,43.125 U4.3
  Bottom Layer w0.178: v1(49.425,41.5) v1(49.425,42.825)
VCC_12V: C20.1 C21.1 C22.1 C23.1 C26.1 D3.1 L1.2 Q1.1 R5.1 | length 10.4
  Top Layer w0.178: v1(40.65,14.45) 40.65,9.65 41.475,8.825 R5.1@45.925,8.825
  other v1: 39.875,14.45
pads on no net: B1.3 Q1.5 U1.1 U1.2 U1.3 U1.4 U1.8 U1.9 U1.10 U1.14 U1.16 U1.17 U1.20 U1.21 U1.22 U1.23 U1.24 U1.25 U1.26 U1.27 U1.28 U1.29 U1.30 U1.33 U1.34 U1.35 U1.36 U1.37 U1.38 U1.39 U1.40 U1.41 U1.42 U1.43 U1.51 U1.52 U1.55 U1.56 U4.4 U6.5 U7.3

## Polygon pours and split planes (outlines as drawn)
GND on Top Layer "Top Layer-No Net" (solid, remove dead copper, pour order 4): 0,65 56.975,65 57,64.975 57,0.025 56.975,0 2.025,0 0,2.025
BATTERY on Top Layer "Top Layer-No Net" (solid, remove dead copper, pour order 0): 25.4,11.375 25.4,0 0,0 0,11.429
GND on Bottom Layer "Top Layer-No Net" (solid, remove dead copper, pour order 2): -0.025,65 57,65 57,0.025 56.975,0 -0.025,0

## Keep-outs
Keep-Out Layer:
  the board outline again, w0.178

## Other copper
Top Layer:
  region net GND: 48.825,42.55 47.225,42.55 47.225,43.4 46.575,43.4 46.575,42.3 47.2,42.3 47.2,41.825 48.825,41.825
  region net GND: 48.5,42.3 50.313,42.3 50.313,42.025 48.5,42.025
  pour cut-out: 0,37.9 13.025,37.9 13.65,37.275 38.375,37.275 38.375,6.5 0,6.5
  region net GND: 14.175,40.2 13.675,40.2 13.575,40.3 13.4,40.125 13.4,39.975 14.175,39.975
  region net GND: 39.15,47.45 39.15,48.025 38.95,48.225 38.762,48.037 38.762,47.88 38.875,47.767 38.875,47.45
  region net VCC_3.3V: 48.575,41.625 46.125,41.625 46.125,40.625 48.575,40.625
  region net VCC_5V: 50.075,41.55 53.35,41.55 55.625,39.275 55.625,38.075 53.075,40.625 50.075,40.625
  pour cut-out: -0.025,57.5 11.375,57.5 11.375,50.375 -0.025,50.375
  region net VCC_5V: 54.25,23.625 55.625,23.625 55.625,39.975 54.25,39.975
  region net BATTERY: 46.5,21.7 46.5,22.525 45.25,22.525 45.25,17.875 46.5,16.625 50.375,16.625 51.25,15.75 51.25,14.15 52.175,14.15 52.175,16.075 50.75,17.5 46.75,17.5 46.125,18.125 46.125,21.7
  region net NetR3_2: 45.525,25.375 45.55,25.35 45.55,24.875 46.8,24.875 46.8,23.625 48.225,23.625 48.225,25.375
  region net BATTERY: 45.6,24.575 45.6,23.025 46.425,23.025 46.425,24.575
  region net NetR2_1: 49.625,5.625 49.05,5.625 49.05,8.15 50.9,8.15 50.9,6.925 49.625,6.925
  region net BATTERY: 49.35,24.775 48.475,24.775 48.475,23.375 45.25,23.375 45.25,22.3 49.35,22.3
  region net NetC17_1: 49.575,26.275 50.9,26.275 50.9,28.825 50.3,28.825 50.3,27.5 49.575,27.5
  region net NetC17_2: 51.125,28.825 52.325,28.825 52.325,25.925 51.125,25.925
  region net NetC17_2: 49.575,26.075 52.5,26.075 52.5,20.75 49.575,20.75
  region net NetC15_1: 45.85,10.65 47.925,10.65 47.925,9.55 45.85,9.55
  region net NetC15_2: 45.85,11.625 48.35,11.625 48.35,10.875 45.85,10.875
  region net VCC_12V: 51,14.025 51,15.5 41.425,15.5 40.775,14.85 39.5,14.85 39.5,14.025
  region net BATTERY: 50.5,6.55 51.475,6.55 51.475,5.7 50.5,5.7
  region net BATTERY: 49.8,9.25 49.8,8.5 51.25,8.5 51.25,2.825 49.675,1.25 38.5,1.25 38.5,0.35 50.1,0.35 52.175,2.425 52.175,9.25
  region net NetC15_2: 48.125,12.3 48.125,10.25 48.5,10.25 48.5,9.5 53.775,9.5 53.775,12.3
  region net NetD4_1: 20.55,13.575 22.675,13.575 22.675,11.775 20.55,11.775
  region net NetD5_1: 25.75,11.5 27.95,11.5 27.95,10.275 25.75,10.275
  region net GND: 0.375,25.25 24.5,25.25 24.5,29 29,29 29,18.875 22.625,18.875 22.625,13.875 20.25,13.875 20.25,11.75 0.375,11.75
  region net POWER_CAP: 0.375,36 9.975,36 10.625,35.35 10.625,26.25 10,25.625 0.375,25.625
  region net POWER_CHARGE_OUT: 20.375,37.125 20.375,25.625 11.625,25.625 11,26.25 11,31.65 13.75,31.65 14.025,31.925 14.025,35.775 15.375,37.125
  region net POWER_CHARGE: 29.375,29.375 29.375,19.125 33.775,14.725 38.25,14.725 38.25,37.125 20.75,37.125 20.75,25.625 24.125,25.625 24.125,29.375
  region net NetC29_2: 23.025,18.5 29.375,18.5 33.625,14.25 38.25,14.25 38.25,0.35 25.75,0.35 25.75,10 28.25,10 28.25,11.875 25.875,11.875 23.025,11.875
  region net BATTERY: 0.35,11.4 0.35,5.15 20.75,5.15 20.75,11.4
  region net BATTERY: 25.4,6.175 25.4,11.386 20.153,11.386 20.153,6.178
  region net POWER_CAP: 0.375,37.75 4.725,37.75 4.725,36.125 5.7,35.15 0.375,35.15
  region net GND: 0.35,50.625 0.35,57.125 11,57.125 11,50.625
  region net MOTER: 0.375,38.125 8.225,38.125 8.225,41.6 11,41.6 11,50.25 0.375,50.25
Bottom Layer:
  pour cut-out: 0,53.75 11.375,53.75 11.375,23.025 0,23.025
  region net BATTERY: 51.25,4.5 52.175,4.5 52.175,15.75 51.25,15.75
  pour cut-out: 21.8,14.4 21.8,16.625 27.1,16.625 27.1,14.5 27,14.4
  pour cut-out: 19.375,14.2 18.125,14.2 18.125,12.575 18.5,12.2 19,12.2 19.375,12.575
  region net NetD5_1: 27.1,9.525 27.1,8.275 27.95,8.275 27.95,9.525
  region net NetD4_1: 21.925,14.05 21.925,11.675 20.525,11.675 20.525,14.05
  region net NetD4_2: 25.45,15.2 23.8,15.2 23.1,14.5 23.1,11.45 24.025,11.45 24.025,14.125 24.75,14.85 25.45,14.85
  region net NetD5_1: 25.75,11.875 27.15,11.875 27.15,9.35 25.75,9.35
  region net NetD5_2: 30.425,14.2 29.275,14.2 28.575,13.5 28.575,9.325 29.7,9.325 29.7,13.7 29.85,13.85 30.425,13.85
  region net BATTERY: 6.575,1.25 40.625,1.25 40.625,0.35 6.575,0.35
  region net NetC29_1: 30.875,14.7 32.2,14.7 32.2,14.1 31.575,14.1 31.325,14.35 30.875,14.35
  region net NetC29_2: 30.875,13.7 31.375,13.7 31.525,13.85 32.2,13.85 32.2,13.25 31.475,13.25 31.375,13.35 30.875,13.35
  region net VCC_12V: 32.7,16.15 34,14.85 41,14.85 41,14.025 33.55,14.025 32.725,14.85 30.725,14.85 30.725,16.15
  region net NetC29_1: 30.35,14.7 29.775,14.7 29.5,14.975 29.5,16.4 28.55,16.4 28.55,14.625 28.825,14.35 30.35,14.35
  region net GND: 25.975,14.7 26.275,14.7 26.45,14.875 26.45,15.175 26.275,15.35 23.675,15.35 22.925,14.6 21.975,14.6 21.975,16.45 22.975,16.45 26.8,16.45 26.8,14.7 26.45,14.35 25.975,14.35
  region net GND: 25.1,14.7 24.825,14.7 24.175,14.05 24.175,13.275 24.75,13.275 24.75,14.15 24.95,14.35 25.1,14.35
  region net NetQ1_6: 25.025,13.2 24.75,12.925 24.75,10.9 24.175,10.325 24.175,9.85 25.075,9.85 25.075,12.425 25.5,12.85 25.5,13.2
  region net GND: 24.175,13.4 24.175,11.3 23.475,11.3 23.475,10.45 24.075,10.45 24.6,10.975 24.6,12.975 24.75,13.125 24.75,13.4
  region net GND: 27.85,17.6 27.85,14.225 26.325,12.7 25.575,12.7 25.225,12.35 25.225,9 25.55,9 25.55,12.025 27.75,12.025 27.75,10.475 28.1,10.475 28.1,6.75 28.425,6.75 28.425,13.575 28.7,13.85 28.7,14.25 28.4,14.55 28.4,15.875 28.2,15.875 28.2,17.6
  region net GND: 0.375,23.4 11,23.4 11,53.35 11,53.375 0.375,53.375

## Silkscreen, mask and mechanical layers (free items; w line width, h text height)
Top Overlay:
  text "H" at 13.25,58.475 h2.54 r180
  text "L" at 16.45,58.475 h2.54 r180
  text "H" at 23.35,58.475 h2.54 r180
  text "L" at 26.6,58.475 h2.54 r180
  text "LOAD-" at 5.95,57.95 h2.54 r270
  text "RST" at 52.7,54.075 h1.52 r90
  text "LOAD+" at 5.95,50.175 h2.54 r270
  text "TX" at 53.925,46.2 h1.52 r90
  text "RX" at 53.925,43.725 h1.52 r90
  text "GND" at 53.925,40.65 h1.52 r90
  text "3.3V" at 21.4,40.375 h1.52
  text "DIO" at 24.075,40.375 h1.52
  text "CLK" at 26.475,40.375 h1.52
  text "GND" at 28.875,40.35 h1.52
  text "5V" at 53.925,38.75 h1.52 r90
  text "CAP+" at 5.95,36.525 h2.54 r270
  text "3.3V" at 46.525,33.2 h2.54
  text "CAP-" at 5.95,25.15 h2.54 r270
  text "BAT-" at 5.927,17.9 h2.54 r270
  text "BAT+" at 5.927,10.25 h2.54 r270
  text "DB.zzy" at 41.6,0.625 h1.27

## Dimensions
54.5,2.5 to 54.5,62.5 on Top Overlay
54.475,-3 to 2.55,-3.025 on Top Overlay